# KiCad board CA80.kicad_pcb
title: MIK290-CA80; date: 2023-10-18; rev: V1.0
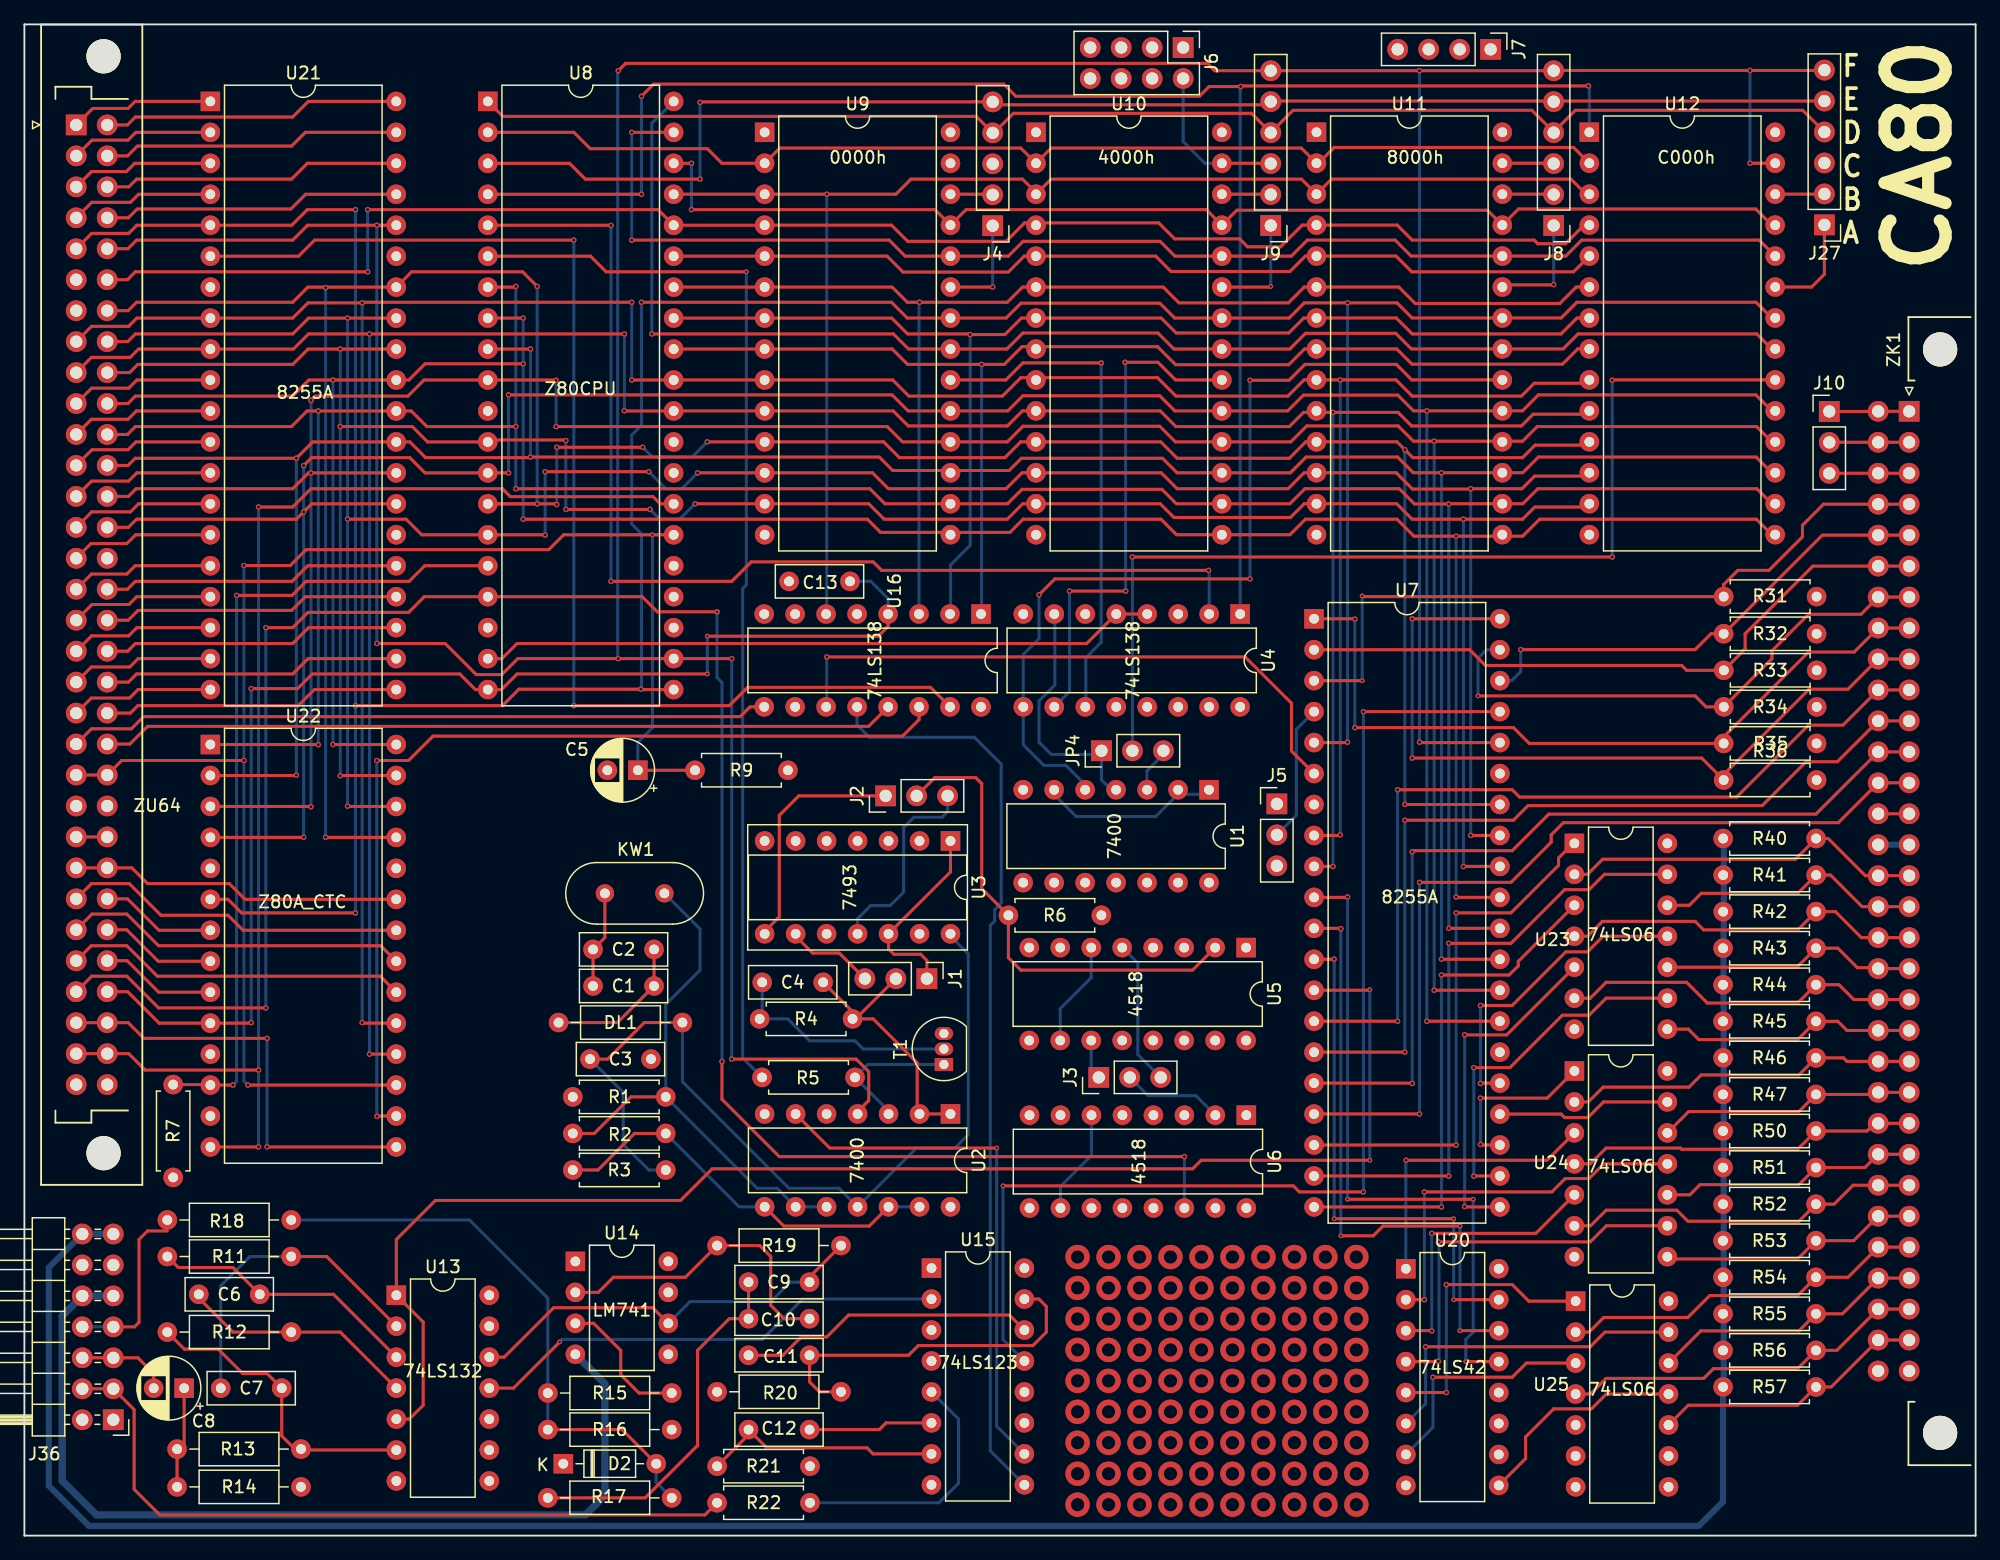
[diagram p0: board, top side]
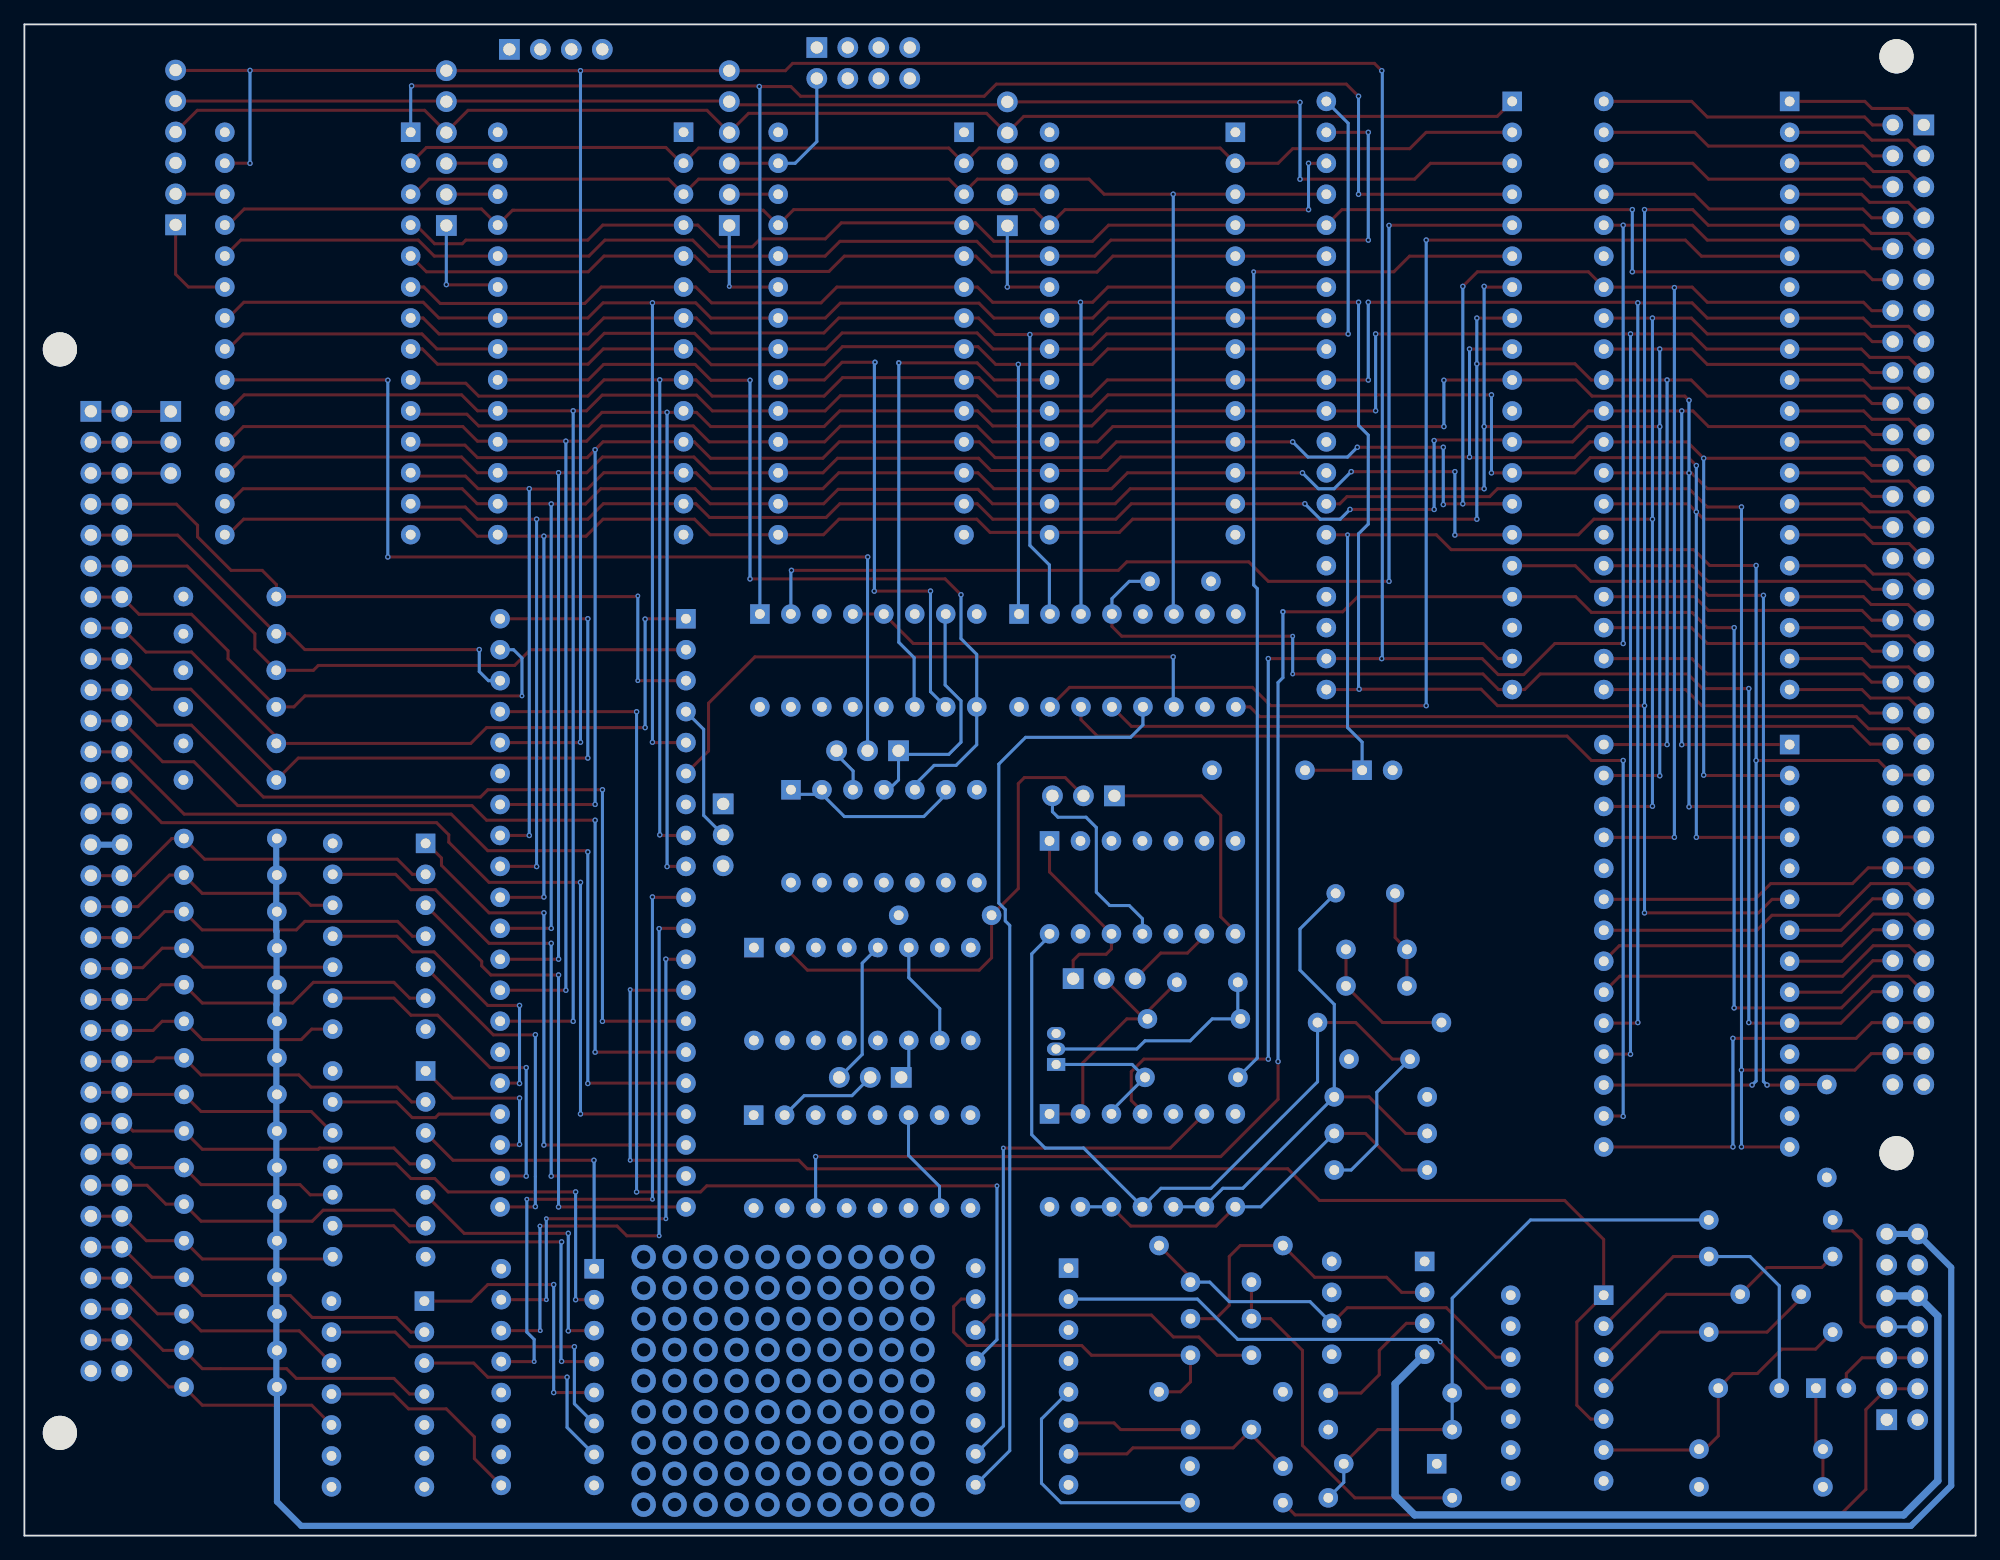
[diagram p1: board, bottom side, seen from below]

Outline 160 x 124 mm; copper layers: Top, In1.Cu (plane), In2.Cu, Bottom. Coordinates in mm from the lower left corner of the outline.
Outline path: 0,124 160,124 160,0 0,0 0,124
Stack: Top 0.035mm / dielectric 0.1mm FR4 er 4.05 / In1.Cu 0.0175mm / dielectric 0.565mm FR4 er 4.6 / In2.Cu 0.0175mm / dielectric 0.127mm FR4 er 4.25 / Bottom 0.035mm

## Placement (name value [footprint] x y rotation side)
C1  10p  [C_Disc_D7.0mm_W2.5mm_P5.00mm]  51.63 45.1 180 top
C2  10p  [C_Disc_D7.0mm_W2.5mm_P5.00mm]  51.63 48.1 180 top
C3  100p  [C_Disc_D7.0mm_W2.5mm_P5.00mm]  51.38 39.1 180 top
C4  33p  [C_Disc_D7.0mm_W2.5mm_P5.00mm]  60.5 45.4 0 top
C5  1u  [CP_Radial_D5.0mm_P2.50mm]  50.31 62.8 180 top
C6  220n  [C_Disc_D7.0mm_W2.5mm_P5.00mm]  19.3 19.8 180 top
C7  220n  [C_Disc_D7.0mm_W2.5mm_P5.00mm]  16.1 12.1 0 top
C8  1u  [CP_Radial_D5.0mm_P2.50mm]  13.1 12.1 180 top
C9  3.3n  [C_Disc_D7.0mm_W2.5mm_P5.00mm]  64.38 20.8 180 top
C10  3.3n  [C_Disc_D7.0mm_W2.5mm_P5.00mm]  64.38 17.8 180 top
C11  100n  [C_Disc_D7.0mm_W2.5mm_P5.00mm]  59.38 14.8 0 top
C12  220n  [C_Disc_D7.0mm_W2.5mm_P5.00mm]  59.38 8.7 0 top
C13  47p  [C_Disc_D7.0mm_W2.5mm_P5.00mm]  67.7 78.3 180 top
D2  1N4148  [D_DO-35_SOD27_P7.62mm_Horizontal]  44.19 5.9 0 top
DL1  10u  [R_Axial_DIN0207_L6.3mm_D2.5mm_P10.16mm_Horizontal]  43.8 42.1 0 top
J1  Jumper_3_Bridged12  [PinHeader_1x03_P2.54mm_Vertical]  74 45.7 270 top
J2  Jumper_3_Bridged12  [PinHeader_1x03_P2.54mm_Vertical]  70.62 60.7 90 top
J3  Jumper_3_Bridged12  [PinHeader_1x03_P2.54mm_Vertical]  88.1 37.6 90 top
J4  Conn_01x05_Socket  [PinHeader_1x05_P2.54mm_Vertical]  79.4 107.48 180 top
J5  Jumper_3_Bridged12  [PinHeader_1x03_P2.54mm_Vertical]  102.7 60.04 0 top
J6  Conn_02x04_Odd_Even  [PinHeader_2x04_P2.54mm_Vertical]  95.02 122.1 270 top
J7  Conn_01x04_Socket  [PinHeader_1x04_P2.54mm_Vertical]  120.23 121.95 270 top
J8  Conn_01x06_Socket  [PinHeader_1x06_P2.54mm_Vertical]  125.4 107.5 180 top
J9  Conn_01x06_Socket  [PinHeader_1x06_P2.54mm_Vertical]  102.2 107.5 180 top
J10  Conn_01x03_Socket  [PinHeader_1x03_P2.54mm_Vertical]  148 92.24 0 top
J27  Conn_01x06_Socket  [PinHeader_1x06_P2.54mm_Vertical]  147.6 107.55 180 top
J36  Conn_02x07_Odd_Even  [PinHeader_2x07_P2.54mm_Horizontal]  7.29 9.51 180 top
JP4  Jumper_3_Bridged12  [PinHeader_1x03_P2.54mm_Vertical]  88.32 64.4 90 top
KW1  8MHz  [Crystal_HC49-U_Vertical]  52.48 52.7 180 top
R1  10k  [R_Axial_DIN0207_L6.3mm_D2.5mm_P7.62mm_Horizontal]  44.97 36 0 top
R2  820R  [R_Axial_DIN0207_L6.3mm_D2.5mm_P7.62mm_Horizontal]  52.59 33 180 top
R3  820R  [R_Axial_DIN0207_L6.3mm_D2.5mm_P7.62mm_Horizontal]  44.97 30 0 top
R4  82k  [R_Axial_DIN0207_L6.3mm_D2.5mm_P7.62mm_Horizontal]  60.29 42.4 0 top
R5  22R  [R_Axial_DIN0207_L6.3mm_D2.5mm_P7.62mm_Horizontal]  60.49 37.6 0 top
R6  3k6  [R_Axial_DIN0207_L6.3mm_D2.5mm_P7.62mm_Horizontal]  80.69 50.9 0 top
R7  3K6  [R_Axial_DIN0207_L6.3mm_D2.5mm_P7.62mm_Horizontal]  12.2 29.39 90 top
R9  3K6  [R_Axial_DIN0207_L6.3mm_D2.5mm_P7.62mm_Horizontal]  62.61 62.8 180 top
R11  820R  [R_Axial_DIN0207_L6.3mm_D2.5mm_P10.16mm_Horizontal]  11.72 22.9 0 top
R12  820R  [R_Axial_DIN0207_L6.3mm_D2.5mm_P10.16mm_Horizontal]  11.72 16.7 0 top
R13  10k  [R_Axial_DIN0207_L6.3mm_D2.5mm_P10.16mm_Horizontal]  12.52 7.1 0 top
R14  820R  [R_Axial_DIN0207_L6.3mm_D2.5mm_P10.16mm_Horizontal]  12.52 4 0 top
R15  270k  [R_Axial_DIN0207_L6.3mm_D2.5mm_P10.16mm_Horizontal]  42.92 11.7 0 top
R16  3k6  [R_Axial_DIN0207_L6.3mm_D2.5mm_P10.16mm_Horizontal]  53.08 8.7 180 top
R17  3k6  [R_Axial_DIN0207_L6.3mm_D2.5mm_P10.16mm_Horizontal]  53.08 3.1 180 top
R18  3k6  [R_Axial_DIN0207_L6.3mm_D2.5mm_P10.16mm_Horizontal]  21.88 25.9 180 top
R19  270k  [R_Axial_DIN0207_L6.3mm_D2.5mm_P10.16mm_Horizontal]  56.8 23.8 0 top
R20  22k  [R_Axial_DIN0207_L6.3mm_D2.5mm_P10.16mm_Horizontal]  56.8 11.8 0 top
R21  10k  [R_Axial_DIN0207_L6.3mm_D2.5mm_P7.62mm_Horizontal]  56.8 5.7 0 top
R22  120R  [R_Axial_DIN0207_L6.3mm_D2.5mm_P7.62mm_Horizontal]  64.42 2.7 180 top
R31  3k6  [R_Axial_DIN0207_L6.3mm_D2.5mm_P7.62mm_Horizontal]  139.34 77.05 0 top
R32  3k6  [R_Axial_DIN0207_L6.3mm_D2.5mm_P7.62mm_Horizontal]  139.34 74 0 top
R33  3k6  [R_Axial_DIN0207_L6.3mm_D2.5mm_P7.62mm_Horizontal]  139.35 71 0 top
R34  3k6  [R_Axial_DIN0207_L6.3mm_D2.5mm_P7.62mm_Horizontal]  139.35 68 0 top
R35  3k6  [R_Axial_DIN0207_L6.3mm_D2.5mm_P7.62mm_Horizontal]  139.34 65 0 top
R36  3k6  [R_Axial_DIN0207_L6.3mm_D2.5mm_P7.62mm_Horizontal]  139.34 62 0 top
R40  33k  [R_Axial_DIN0207_L6.3mm_D2.5mm_P7.62mm_Horizontal]  146.92 57.2 180 top
R41  33k  [R_Axial_DIN0207_L6.3mm_D2.5mm_P7.62mm_Horizontal]  146.92 54.2 180 top
R42  33k  [R_Axial_DIN0207_L6.3mm_D2.5mm_P7.62mm_Horizontal]  146.92 51.2 180 top
R43  33k  [R_Axial_DIN0207_L6.3mm_D2.5mm_P7.62mm_Horizontal]  146.91 48.2 180 top
R44  33k  [R_Axial_DIN0207_L6.3mm_D2.5mm_P7.62mm_Horizontal]  146.91 45.2 180 top
R45  33k  [R_Axial_DIN0207_L6.3mm_D2.5mm_P7.62mm_Horizontal]  146.91 42.2 180 top
R46  33k  [R_Axial_DIN0207_L6.3mm_D2.5mm_P7.62mm_Horizontal]  146.91 39.2 180 top
R47  33k  [R_Axial_DIN0207_L6.3mm_D2.5mm_P7.62mm_Horizontal]  146.91 36.2 180 top
R50  10k  [R_Axial_DIN0207_L6.3mm_D2.5mm_P7.62mm_Horizontal]  146.91 33.2 180 top
R51  10k  [R_Axial_DIN0207_L6.3mm_D2.5mm_P7.62mm_Horizontal]  146.91 30.2 180 top
R52  10k  [R_Axial_DIN0207_L6.3mm_D2.5mm_P7.62mm_Horizontal]  146.91 27.2 180 top
R53  10k  [R_Axial_DIN0207_L6.3mm_D2.5mm_P7.62mm_Horizontal]  146.91 24.2 180 top
R54  10k  [R_Axial_DIN0207_L6.3mm_D2.5mm_P7.62mm_Horizontal]  146.91 21.2 180 top
R55  10k  [R_Axial_DIN0207_L6.3mm_D2.5mm_P7.62mm_Horizontal]  146.91 18.2 180 top
R56  10k  [R_Axial_DIN0207_L6.3mm_D2.5mm_P7.62mm_Horizontal]  146.91 15.2 180 top
R57  10k  [R_Axial_DIN0207_L6.3mm_D2.5mm_P7.62mm_Horizontal]  146.91 12.2 180 top
T1  BC557  [TO-92_Inline]  75.4 38.66 90 top
U1  7400  [DIP-14_W7.62mm]  97.14 61.2 270 top
U2  7400  [DIP-14_W7.62mm]  75.94 34.6 270 top
U3  7493  [DIP-14_W7.62mm_Socket]  75.94 57 270 top
U4  74LS138  [DIP-16_W7.62mm]  99.69 75.62 270 top
U5  4518  [DIP-16_W7.62mm]  100.18 48.25 270 top
U6  4518  [DIP-16_W7.62mm]  100.2 34.5 270 top
U7  8255A  [DIP-40_W15.24mm]  105.75 75.23 0 top
U8  Z80CPU  [DIP-40_W15.24mm]  38 117.68 0 top
U9  2764  [DIP-28_W15.24mm]  60.7 115.14 0 top
U10  2764  [DIP-28_W15.24mm]  82.95 115.14 0 top
U11  2764  [DIP-28_W15.24mm]  105.95 115.15 0 top
U12  2764  [DIP-28_W15.24mm]  128.32 115.15 0 top
U13  74LS132  [DIP-14_W7.62mm]  30.5 19.73 0 top
U14  LM741  [DIP-8_W7.62mm]  45.18 22.5 0 top
U15  74LS123  [DIP-16_W7.62mm]  74.38 21.95 0 top
U16  74LS138  [DIP-16_W7.62mm]  78.44 75.62 270 top
U20  74LS42  [DIP-16_W7.62mm]  113.28 21.9 0 top
U21  8255A  [DIP-40_W15.24mm]  15.25 117.68 0 top
U22  Z80A_CTC  [DIP-28_W15.24mm]  15.25 64.91 0 top
U23  74LS06  [DIP-14_W7.62mm]  127.1 56.8 0 top
U24  74LS06  [DIP-14_W7.62mm]  127.1 38.12 0 top
U25  74LS06  [DIP-14_W7.62mm]  127.2 19.24 0 top
ZK1  C64AB  [DIN41612_B_2x32_Horizontal]  154.55 92.25 270 top
ZU64  C64AB  [DIN41612_B_2x32_Vertical]  4.25 115.75 0 top

## Library data of the parts
C1-C4 C6 C7 C9-C13 = -: Description: Unpolarized capacitor, small symbol
D2 = -: Description: 100V 0.15A standard switching diode, DO-35
DL1 = -: Description: Inductor
J4 = -: Description: Generic connector, single row, 01x05, script generated
J6 = -: Description: Generic connector, double row, 02x04, odd/even pin numbering scheme (row 1 odd numbers, row 2 even numbers), script generated (kicad-library-utils/schlib/autogen/connector/)
J7 = -: Description: Generic connector, single row, 01x04, script generated
J8 J9 J27 = -: Description: Generic connector, single row, 01x06, script generated
J10 = -: Description: Generic connector, single row, 01x03, script generated
J36 = -: Description: Generic connector, double row, 02x07, odd/even pin numbering scheme (row 1 odd numbers, row 2 even numbers), script generated (kicad-library-utils/schlib/autogen/connector/)
KW1 = -: Description: Two pin crystal
R1-R6 R11-R22 R31-R36 R40-R47 R50-R57 = -: Description: Resistor, small symbol
R7 R9 = -: Description: Resistor
T1 = -: Description: 0.1A Ic, 45V Vce, PNP Small Signal Transistor, TO-92
U1 U2 = -: Description: quad 2-input NAND gate
U4 U16 = -: Description: Decoder 3 to 8 active low outputs
U5 U6 = -: Description: Dual BCD Up-Counter
U7 U21 = -: Description: Programmable Peripheral Interface, PDIP-40
U8 = -: Description: 8-bit General Purpose Microprocessor, DIP-40
U13 = -: Description: Quad 2-input NAND Schmitt trigger
U14 = -: Description: Operational Amplifier, DIP-8/TO-99-8
U20 = -: Description: 4 to 10 line Decoder
U23-U25 = -: Description: Inverter Open Collect

## Footprints (pads in the part's own frame, mm; a bottom-side part is the same pattern mirrored in y, then rotated)
C_Disc_D7.0mm_W2.5mm_P5.00mm
  round 1.6 hole 0.8: 1(0,0) 2(5,0)
CP_Radial_D5.0mm_P2.50mm
  rect 1.6x1.6 hole 0.8: 1(0,0)
  round 1.6 hole 0.8: 2(2.5,0)
Crystal_HC49-U_Vertical
  round 1.5 hole 0.8: 1(0,0) 2(4.88,0)
D_DO-35_SOD27_P7.62mm_Horizontal
  rect 1.6x1.6 hole 0.8: 1(0,0)
  oval 1.6x1.6 hole 0.8: 2(7.62,0)
DIN41612_B_2x32_Horizontal
  round 2.8 hole 2.8 unplated: (-5.08,2.54) (83.82,2.54)
  rect 1.7x1.7 hole 1: A1(0,0)
  round 1.7 hole 1: A2(2.54,0) A3(5.08,0) A4(7.62,0) A5(10.16,0) A6(12.7,0) A7(15.24,0) A8(17.78,0) A9(20.32,0) A10(22.86,0) A11(25.4,0) A12(27.94,0) A13(30.48,0) A14(33.02,0) A15(35.56,0) A16(38.1,0) A17(40.64,0) A18(43.18,0) A19(45.72,0) A20(48.26,0) A21(50.8,0) A22(53.34,0) A23(55.88,0) A24(58.42,0) A25(60.96,0) A26(63.5,0) A27(66.04,0) A28(68.58,0) A29(71.12,0) A30(73.66,0) A31(76.2,0) A32(78.74,0) B1(0,-2.54) B2(2.54,-2.54) B3(5.08,-2.54) B4(7.62,-2.54) B5(10.16,-2.54) B6(12.7,-2.54) B7(15.24,-2.54) B8(17.78,-2.54) B9(20.32,-2.54) B10(22.86,-2.54) B11(25.4,-2.54) B12(27.94,-2.54) B13(30.48,-2.54) B14(33.02,-2.54) B15(35.56,-2.54) B16(38.1,-2.54) B17(40.64,-2.54) B18(43.18,-2.54) B19(45.72,-2.54) B20(48.26,-2.54) B21(50.8,-2.54) B22(53.34,-2.54) B23(55.88,-2.54) B24(58.42,-2.54) B25(60.96,-2.54) B26(63.5,-2.54) B27(66.04,-2.54) B28(68.58,-2.54) B29(71.12,-2.54) B30(73.66,-2.54) B31(76.2,-2.54) B32(78.74,-2.54)
DIN41612_B_2x32_Vertical
  round 2.8 hole 2.8 unplated: (2.24,5.63) (2.24,-84.37)
  rect 1.7x1.7 hole 1: A1(0,0)
  round 1.7 hole 1: A2(0,-2.54) A3(0,-5.08) A4(0,-7.62) A5(0,-10.16) A6(0,-12.7) A7(0,-15.24) A8(0,-17.78) A9(0,-20.32) A10(0,-22.86) A11(0,-25.4) A12(0,-27.94) A13(0,-30.48) A14(0,-33.02) A15(0,-35.56) A16(0,-38.1) A17(0,-40.64) A18(0,-43.18) A19(0,-45.72) A20(0,-48.26) A21(0,-50.8) A22(0,-53.34) A23(0,-55.88) A24(0,-58.42) A25(0,-60.96) A26(0,-63.5) A27(0,-66.04) A28(0,-68.58) A29(0,-71.12) A30(0,-73.66) A31(0,-76.2) A32(0,-78.74) B1(2.54,0) B2(2.54,-2.54) B3(2.54,-5.08) B4(2.54,-7.62) B5(2.54,-10.16) B6(2.54,-12.7) B7(2.54,-15.24) B8(2.54,-17.78) B9(2.54,-20.32) B10(2.54,-22.86) B11(2.54,-25.4) B12(2.54,-27.94) B13(2.54,-30.48) B14(2.54,-33.02) B15(2.54,-35.56) B16(2.54,-38.1) B17(2.54,-40.64) B18(2.54,-43.18) B19(2.54,-45.72) B20(2.54,-48.26) B21(2.54,-50.8) B22(2.54,-53.34) B23(2.54,-55.88) B24(2.54,-58.42) B25(2.54,-60.96) B26(2.54,-63.5) B27(2.54,-66.04) B28(2.54,-68.58) B29(2.54,-71.12) B30(2.54,-73.66) B31(2.54,-76.2) b32(2.54,-78.74)
DIP-8_W7.62mm
  rect 1.6x1.6 hole 0.8: 1(0,0)
  oval 1.6x1.6 hole 0.8: 2(0,-2.54) 3(0,-5.08) 4(0,-7.62) 5(7.62,-7.62) 6(7.62,-5.08) 7(7.62,-2.54) 8(7.62,0)
DIP-14_W7.62mm
  rect 1.6x1.6 hole 0.8: 1(0,0)
  oval 1.6x1.6 hole 0.8: 2(0,-2.54) 3(0,-5.08) 4(0,-7.62) 5(0,-10.16) 6(0,-12.7) 7(0,-15.24) 8(7.62,-15.24) 9(7.62,-12.7) 10(7.62,-10.16) 11(7.62,-7.62) 12(7.62,-5.08) 13(7.62,-2.54) 14(7.62,0)
DIP-14_W7.62mm_Socket
  rect 1.6x1.6 hole 0.8: 1(0,0)
  oval 1.6x1.6 hole 0.8: 2(0,-2.54) 3(0,-5.08) 4(0,-7.62) 5(0,-10.16) 6(0,-12.7) 7(0,-15.24) 8(7.62,-15.24) 9(7.62,-12.7) 10(7.62,-10.16) 11(7.62,-7.62) 12(7.62,-5.08) 13(7.62,-2.54) 14(7.62,0)
DIP-16_W7.62mm
  rect 1.6x1.6 hole 0.8: 1(0,0)
  oval 1.6x1.6 hole 0.8: 2(0,-2.54) 3(0,-5.08) 4(0,-7.62) 5(0,-10.16) 6(0,-12.7) 7(0,-15.24) 8(0,-17.78) 9(7.62,-17.78) 10(7.62,-15.24) 11(7.62,-12.7) 12(7.62,-10.16) 13(7.62,-7.62) 14(7.62,-5.08) 15(7.62,-2.54) 16(7.62,0)
DIP-28_W15.24mm
  rect 1.6x1.6 hole 0.8: 1(0,0)
  oval 1.6x1.6 hole 0.8: 2(0,-2.54) 3(0,-5.08) 4(0,-7.62) 5(0,-10.16) 6(0,-12.7) 7(0,-15.24) 8(0,-17.78) 9(0,-20.32) 10(0,-22.86) 11(0,-25.4) 12(0,-27.94) 13(0,-30.48) 14(0,-33.02) 15(15.24,-33.02) 16(15.24,-30.48) 17(15.24,-27.94) 18(15.24,-25.4) 19(15.24,-22.86) 20(15.24,-20.32) 21(15.24,-17.78) 22(15.24,-15.24) 23(15.24,-12.7) 24(15.24,-10.16) 25(15.24,-7.62) 26(15.24,-5.08) 27(15.24,-2.54) 28(15.24,0)
DIP-40_W15.24mm
  rect 1.6x1.6 hole 0.8: 1(0,0)
  oval 1.6x1.6 hole 0.8: 2(0,-2.54) 3(0,-5.08) 4(0,-7.62) 5(0,-10.16) 6(0,-12.7) 7(0,-15.24) 8(0,-17.78) 9(0,-20.32) 10(0,-22.86) 11(0,-25.4) 12(0,-27.94) 13(0,-30.48) 14(0,-33.02) 15(0,-35.56) 16(0,-38.1) 17(0,-40.64) 18(0,-43.18) 19(0,-45.72) 20(0,-48.26) 21(15.24,-48.26) 22(15.24,-45.72) 23(15.24,-43.18) 24(15.24,-40.64) 25(15.24,-38.1) 26(15.24,-35.56) 27(15.24,-33.02) 28(15.24,-30.48) 29(15.24,-27.94) 30(15.24,-25.4) 31(15.24,-22.86) 32(15.24,-20.32) 33(15.24,-17.78) 34(15.24,-15.24) 35(15.24,-12.7) 36(15.24,-10.16) 37(15.24,-7.62) 38(15.24,-5.08) 39(15.24,-2.54) 40(15.24,0)
PinHeader_1x03_P2.54mm_Vertical
  rect 1.7x1.7 hole 1: 1(0,0)
  oval 1.7x1.7 hole 1: 2(0,-2.54) 3(0,-5.08)
PinHeader_1x04_P2.54mm_Vertical
  rect 1.7x1.7 hole 1: 1(0,0)
  oval 1.7x1.7 hole 1: 2(0,-2.54) 3(0,-5.08) 4(0,-7.62)
PinHeader_1x05_P2.54mm_Vertical
  rect 1.7x1.7 hole 1: 1(0,0)
  oval 1.7x1.7 hole 1: 2(0,-2.54) 3(0,-5.08) 4(0,-7.62) 5(0,-10.16)
PinHeader_1x06_P2.54mm_Vertical
  rect 1.7x1.7 hole 1: 1(0,0)
  oval 1.7x1.7 hole 1: 2(0,-2.54) 3(0,-5.08) 4(0,-7.62) 5(0,-10.16) 6(0,-12.7)
PinHeader_2x04_P2.54mm_Vertical
  rect 1.7x1.7 hole 1: 1(0,0)
  oval 1.7x1.7 hole 1: 2(2.54,0) 3(0,-2.54) 4(2.54,-2.54) 5(0,-5.08) 6(2.54,-5.08) 7(0,-7.62) 8(2.54,-7.62)
PinHeader_2x07_P2.54mm_Horizontal
  rect 1.7x1.7 hole 1: 1(0,0)
  oval 1.7x1.7 hole 1: 2(2.54,0) 3(0,-2.54) 4(2.54,-2.54) 5(0,-5.08) 6(2.54,-5.08) 7(0,-7.62) 8(2.54,-7.62) 9(0,-10.16) 10(2.54,-10.16) 11(0,-12.7) 12(2.54,-12.7) 13(0,-15.24) 14(2.54,-15.24)
R_Axial_DIN0207_L6.3mm_D2.5mm_P7.62mm_Horizontal
  round 1.6 hole 0.8: 1(0,0)
  oval 1.6x1.6 hole 0.8: 2(7.62,0)
R_Axial_DIN0207_L6.3mm_D2.5mm_P10.16mm_Horizontal
  round 1.6 hole 0.8: 1(0,0)
  oval 1.6x1.6 hole 0.8: 2(10.16,0)
TO-92_Inline
  rect 1.05x1.5 hole 0.75: 1(0,0)
  oval 1.05x1.5 hole 0.75: 2(1.27,0) 3(2.54,0)

## Nets
/+30V: J36.13 J36.14 R40.2 R41.2 R42.2 R43.2 R44.2 R45.2 R46.2 R47.2 R50.2 R51.2 R52.2 R53.2 R54.2 R55.2 R56.2 R57.2
GND: C3.1 C5.2 C13.2 D2.1 J5.1 J6.7 J7.4 J36.1 J36.2 R1.1 R14.2 U1.9 U1.10 U1.12 U1.13 U2.7 U3.2 U3.3 U4.8 U5.1 U5.7 U5.8 U5.9 U5.15 U6.1 U6.7 U6.8 U6.9 U6.15 U7.7 U7.35 U8.29 U9.14 U10.14 U11.14 U12.14 U13.7 U13.9 U13.10 U15.1 U15.3 U15.8 U16.5 U16.8 U20.8 U20.12 U21.7 U21.35 U22.5 U23.7 U24.7 U25.5 U25.7 U25.9 ZK1.A32 ZK1.B32 ZU64.A6 ZU64.A7 ZU64.A23 ZU64.B23
VCC: J4.3 J5.3 J6.1 J6.3 J6.5 J7.1 J7.2 J7.3 J27.3 J36.11 J36.12 R6.2 R7.1 R9.1 R16.1 R20.1 R21.2 R31.2 R32.2 R33.2 R34.2 R35.2 R36.2 T1.3 U2.5 U2.14 U3.5 U4.3 U4.6 U4.16 U5.16 U6.16 U7.26 U8.11 U8.24 U8.25 U9.1 U9.27 U9.28 U10.1 U10.28 U11.1 U11.28 U12.28 U13.13 U13.14 U14.7 U15.11 U15.16 U16.16 U20.16 U21.26 U22.13 U22.24 U23.14 U24.14 U25.14 ZK1.A15 ZK1.B15 ZU64.A32 ZU64.B15
VEE: J36.9 J36.10 U14.4
/1MHz: J2.2 R6.1 U5.2
/4MHz: C4.2 J1.2 R4.2 U2.1 U2.2
/8MHZ: C3.2 DL1.2 R3.2 U2.11 U3.14
/50KHz: J3.2 U6.2
/A0: U7.9 U8.30 U9.10 U10.10 U11.10 U12.10 U21.9 U22.18 ZU64.A9
/A1: U7.8 U8.31 U9.9 U10.9 U11.9 U12.9 U21.8 U22.19 ZU64.A8
/A2: U8.32 U9.8 U10.8 U11.8 U12.8 U16.1
/A3: U8.33 U9.7 U10.7 U11.7 U12.7 U16.2
/A4: U8.34 U9.6 U10.6 U11.6 U12.6 U16.3
/A5: U8.35 U9.5 U10.5 U11.5 U12.5
/A6: U8.36 U9.4 U10.4 U11.4 U12.4 ZU64.B6
/A7: U8.37 U9.3 U10.3 U11.3 U12.3 U16.6
/A8: U8.38 U9.25 U10.25 U11.25 U12.25
/A9: U8.39 U9.24 U10.24 U11.24 U12.24
/A10: U8.40 U9.21 U10.21 U11.21 U12.21
/A11: J4.4 J8.4 J9.4 J27.4 U8.1
/A12: U8.2 U9.2 U10.2 U11.2 U12.2
/A13: J4.5 J8.5 J9.5 J27.5 U8.3
/A14: U4.1 U8.4 U12.1
/A15: U4.2 U8.5
/CLK: U22.15 ZU64.A30 ZU64.B30
/CLK0: U22.23 ZU64.A25 ZU64.B25
/CLK1: U22.22 ZU64.A26
/CLK2: U22.21 ZU64.A27
/CLK3: U22.20 ZU64.A28
/D0: U7.34 U8.14 U9.11 U10.11 U11.11 U12.11 U21.34 U22.25 ZU64.B7
/D1: U7.33 U8.15 U9.12 U10.12 U11.12 U12.12 U21.33 U22.26 ZU64.B8
/D2: U7.32 U8.12 U9.13 U10.13 U11.13 U12.13 U21.32 U22.27 ZU64.B9
/D3: U7.31 U8.8 U9.15 U10.15 U11.15 U12.15 U21.31 U22.28 ZU64.B10
/D4: U7.30 U8.7 U9.16 U10.16 U11.16 U12.16 U21.30 U22.1 ZU64.B11
/D5: U7.29 U8.9 U9.17 U10.17 U11.17 U12.17 U21.29 U22.2 ZU64.B12
/D6: U7.28 U8.10 U9.18 U10.18 U11.18 U12.18 U21.28 U22.3 ZU64.B13
/D7: U7.27 U8.13 U9.19 U10.19 U11.19 U12.19 U21.27 U22.4 ZU64.B14
/M1: J4.1 U9.23
/M2: J9.1 U10.23
/M3: J8.1 U11.23
/M4: J27.1 U12.23
/M5: J4.2 U9.26
/M6: J9.2 U10.26
/M7: J8.2 U11.26
/M8: J27.2 U12.26
/PA0: U21.4 ZU64.A4
/PA0-1: J5.2 U7.4
/PA1: U21.3 ZU64.A3
/PA1-1: R31.1 U7.3 ZK1.A4 ZK1.B4
/PA2: U21.2 ZU64.A2
/PA2-1: R33.1 U7.2 ZK1.A6 ZK1.B6
/PA3: U21.1 ZU64.A1
/PA3-1: R35.1 U7.1 ZK1.A8 ZK1.B8
/PA4: U21.40 ZU64.B1
/PA4-1: R36.1 U7.40 ZK1.A9 ZK1.B9
/PA5: U21.39 ZU64.B2
/PA5-1: R34.1 U7.39 ZK1.A7 ZK1.B7
/PA6: U21.38 ZU64.B3
/PA6-1: R32.1 U7.38 ZK1.A5 ZK1.B5
/PA7: U21.37 ZU64.B4
/PA7-1: U7.37 U15.13
/PB0: U21.18 ZU64.A18
/PB0-1: U7.18 U23.1
/PB1: U21.19 ZU64.A19
/PB1-1: U7.19 U23.13
/PB2: U21.20 ZU64.A20
/PB2-1: U7.20 U23.3
/PB3: U21.21 ZU64.B20
/PB3-1: U7.21 U23.5
/PB4: U21.22 ZU64.B19
/PB4-1: U7.22 U23.9
/PB5: U21.23 ZU64.B18
/PB5-1: U7.23 U24.1
/PB6: U21.24 ZU64.B17
/PB6-1: U7.24 U24.13
/PB7: U21.25 ZU64.B16
/PB7-1: U7.25 U23.11
/PC0: U21.14 ZU64.A14
/PC0-1: U7.14 ZK1.A10 ZK1.B10
/PC1: U21.15 ZU64.A15
/PC1-1: U7.15 ZK1.A11 ZK1.B11
/PC2: U21.16 ZU64.A16
/PC2-1: U7.16 ZK1.A12 ZK1.B12
/PC3: U21.17 ZU64.A17
/PC3-1: U7.17 ZK1.A13 ZK1.B13
/PC4: U21.13 ZU64.A13
/PC4-1: U7.13 U13.1 U13.5
/PC5: U21.12 ZU64.A12
/PC5-1: U7.12 U20.15
/PC6: U21.11 ZU64.A11
/PC6-1: U7.11 U20.14
/PC7: U21.10 ZU64.A10
/PC7-1: U7.10 U20.13
/RIN: J36.7 J36.8 R18.2
/ROUT: C8.2 J36.5 J36.6
/SYG: J36.3 J36.4 R22.2
/TO0: U22.7 ZU64.B26
/TO1: U22.8 ZU64.B27
/TO2: U22.9 ZU64.B28
/~{BUSACK}: U8.23
/~{CE1}: U4.11 U9.20
/~{CE2}: U4.10 U10.20
/~{CE3}: U1.5 U4.9 U11.20
/~{CE4}: JP4.2 U12.20
/~{CLK}: R5.1 U8.6
/~{CTF8}: U16.14 U22.16
/~{EME8}: U16.13 ZU64.B21
/~{HALT}: U8.18
/~{INT}: R7.2 U8.16 U22.12
/~{IORQ}: C13.1 U8.20 U16.4 U22.10 ZU64.B29
/~{M1}: U8.27 U22.14 ZU64.A31 ZU64.B31
/~{MREQ}: U4.4 U4.5 U8.19
/~{NMI}: U6.14 U8.17 ZU64.A29
/~{PE4}: U16.9 ZU64.A21
/~{PEO}: U16.15 U21.6
/~{PF4}: U16.10
/~{PSYS}: U7.6 U16.11
/~{RD}: U7.5 U8.21 U9.22 U10.22 U11.22 U12.22 U21.5 U22.6 ZU64.A5
/~{RESET}: C5.1 R9.2 U8.26 U22.17 ZU64.A22 ZU64.B22
/~{REST}: U16.7
/~{RFSH}: U8.28
/~{WR2}: J6.2 J9.3 U10.27
/~{WR3}: J8.3 U11.27
/~{WR}: J8.6 J9.6 J27.6 U2.4 U7.36 U8.22 U12.27 U21.36 ZU64.B5
Net-(C1-Pad1): C1.1 C2.1 DL1.1
Net-(C1-Pad2): C1.2 C2.2 KW1.2
Net-(C6-Pad1): C6.1 R11.1 U13.3
Net-(C6-Pad2): C6.2 R12.2 U13.4
Net-(C7-Pad1): C7.1 R11.2 U13.2
Net-(C7-Pad2): C7.2 R12.1 R13.2 U13.6
Net-(C8-Pad1): C8.1 R13.1 R14.1
Net-(C9-Pad1): C9.1 R19.2 U13.12 U14.6
Net-(C10-Pad2): C9.2 C10.2 R17.2
Net-(D2-A): D2.2 R15.1 R16.2 R17.1 R18.1
Net-(J1-A): J1.1 U3.1 U3.12
Net-(J1-B): J1.3 U3.9
Net-(J2-A): J2.1 U3.8
Net-(J2-B): J2.3 U3.11
Net-(J3-A): J3.1 U5.11
Net-(J3-B): J3.3 U5.5
Net-(J10-Pin_1): J10.1 ZK1.A1 ZK1.B1
Net-(J10-Pin_2): J10.2 ZK1.A2 ZK1.B2
Net-(J10-Pin_3): J10.3 ZK1.A3 ZK1.B3
Net-(JP4-A): JP4.1 U1.4 U4.7